# Altium PCB main.PcbDoc (part 2 of 2)
Units mm, origin at the board's own origin, x right, y up, seen from the top; angles counter-clockwise.
Board outline 110 x 124 mm, 4 copper layers (Top Layer, Int1 (GND), Int2 (PWR), Bottom Layer), stack 1.547 mm thick; 596 components, 384 nets, 1697 pads, 0 vias.
Unrouted connection lines stored in the file: 1265.
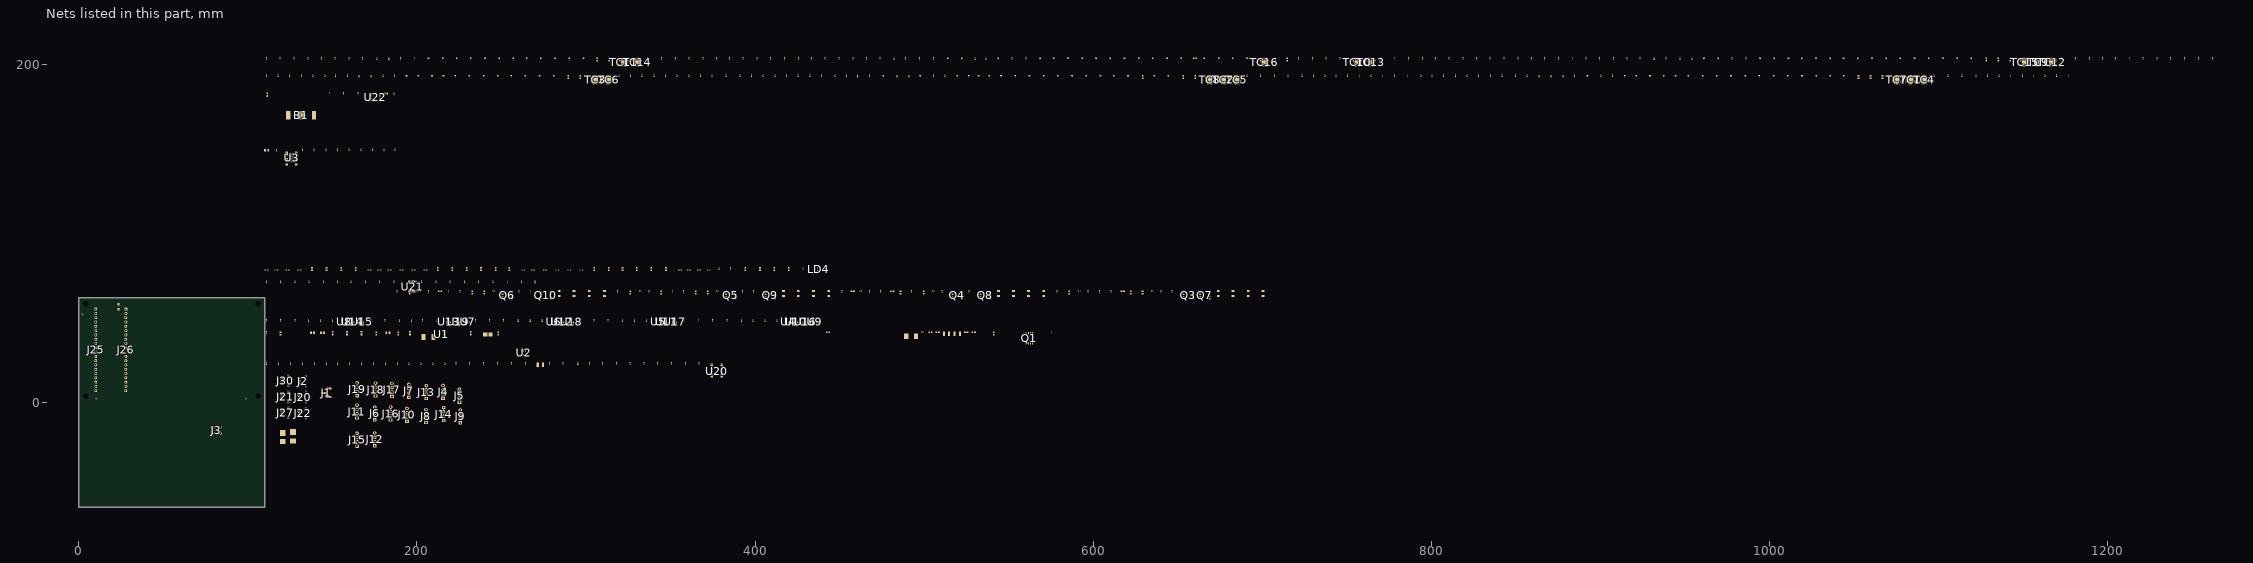
[diagram p2: the nets of this part, all layers, seen from the top]

## Footprints (in the part's own frame and the unit in brackets; to place one, negate y for a bottom-side part, rotate by r counter-clockwise, add the part's x,y. Pads: shape width x height; smd on the part's side, far side on the other; paste and mask are expansions set on the pad) (continued)
SODFL358X135-2N [mm] "SODFL, 2-Leads, Body 1.65x3.58mm, IPC Medium Density"
  rect 1.5x1.05 smd: 1(-1.4,0) 2(1.4,0)
  silkscreen extent -2.15,-0.95 1.55,1.15, body extent -1.79,-0.95 1.79,0.95, height 1.35
SOIC127P600X175-8N [mm] "SOIC, 8-Leads, Body 4.91x3.90mm, Pitch 1.27mm, IPC Medium Density"
  rect 1.45x0.6 smd: 1(-2.725,1.905) 2(-2.725,0.635) 3(-2.725,-0.635) 4(-2.725,-1.905) 5(2.725,-1.905) 6(2.725,-0.635) 7(2.725,0.635) 8(2.725,1.905)
  silkscreen extent -2.85,-2.5 1.6,2.88, body extent -3,-2.5 3,2.5, height 1.75
SOP65P640X120-16N [mm] "TSSOP16"
  rect 1.655x0.381 smd: 1(-2.825,2.275) 2(-2.825,1.625) 3(-2.825,0.975) 4(-2.825,0.325) 5(-2.825,-0.325) 6(-2.825,-0.975) 7(-2.825,-1.625) 8(-2.825,-2.275) 9(2.825,-2.275) 10(2.825,-1.625) 11(2.825,-0.975) 12(2.825,-0.325) 13(2.825,0.325) 14(2.825,0.975) 15(2.825,1.625) 16(2.825,2.275)
  silkscreen extent -4.33,-2.5 1.5,2.5, body extent -3.2,-2.5 3.2,2.5, height 1.2
SOP65P640X120-29N [mm] "TSSOP28 WITH EP"
  rect 1.27x0.39 smd: 1(-2.82,4.225) 2(-2.82,3.575) 3(-2.82,2.925) 4(-2.82,2.275) 5(-2.82,1.625) 6(-2.82,0.975) 7(-2.82,0.325) 8(-2.82,-0.325) 9(-2.82,-0.975) 10(-2.82,-1.625) 11(-2.82,-2.275) 12(-2.82,-2.925) 13(-2.82,-3.575) 14(-2.82,-4.225) 15(2.82,-4.225) 16(2.82,-3.575) 17(2.82,-2.925) 18(2.82,-2.275) 19(2.82,-1.625) 20(2.82,-0.975) 21(2.82,-0.325) 22(2.82,0.325) 23(2.82,0.975) 24(2.82,1.625) 25(2.82,2.275) 26(2.82,2.925) 27(2.82,3.575) 28(2.82,4.225)
  rect 3x5.5 smd: 29(0,0)
  silkscreen extent -3.1,-4.95 2.3,5.2, body extent -3.2,-4.85 3.2,4.85, height 1.2
SOT65P210X110-6N [mm] "SOT23, 6-Leads, Body 2.00x2.10mm, Pitch 0.65mm, IPC Medium Density"
  rect 0.85x0.4 smd: 1(-1.125,0.65) 2(-1.125,0) 3(-1.125,-0.65) 4(1.125,-0.65) 5(1.125,0) 6(1.125,0.65)
  silkscreen extent -1.25,-1.1 0.3,1.52, body extent -1.05,-1 1.05,1, height 1.1
SOT95P280X95-6N [mm] "SOT23, 6-Leads, Body 2.93x2.80mm, Pitch 0.95mm, IPC Medium Density"
  rect 1x0.6 smd: 1(-1.35,0.95) 2(-1.35,0) 3(-1.35,-0.95) 4(1.35,-0.95) 5(1.35,0) 6(1.35,0.95)
  silkscreen extent -1.47,-1.55 0.45,1.92, body extent -1.5,-1.53 1.5,1.53, height 0.95
SOT95P285X140-6N [mm] "SOT23, 6-Leads, Body 3.00x2.85mm, Pitch 0.95mm, IPC Medium Density"
  rect 1.05x0.6 smd: 1(-1.375,0.95) 2(-1.375,0) 3(-1.375,-0.95) 4(1.375,-0.95) 5(1.375,0) 6(1.375,0.95)
  silkscreen extent -1.5,-1.55 0.45,1.92, body extent -1.5,-1.55 1.5,1.55, height 1.4
TP_SMT_1.0MM_CIR [mm] "1mm diameter TP"
  round 1 smd paste-1: 1(0,0)
  silkscreen extent -0.7,-0.7 0.7,0.7
TSSOP50P640X120-38N [mm] "TSSOP, 38-Leads, Body 9.70x4.40mm, Pitch 0.50mm, IPC Medium Density"
  rect 1.4x0.35 smd: 1(-2.95,4.5) 2(-2.95,4) 3(-2.95,3.5) 4(-2.95,3) 5(-2.95,2.5) 6(-2.95,2) 7(-2.95,1.5) 8(-2.95,1) 9(-2.95,0.5) 10(-2.95,0) 11(-2.95,-0.5) 12(-2.95,-1) 13(-2.95,-1.5) 14(-2.95,-2) 15(-2.95,-2.5) 16(-2.95,-3) 17(-2.95,-3.5) 18(-2.95,-4) 19(-2.95,-4.5) 20(2.95,-4.5) 21(2.95,-4) 22(2.95,-3.5) 23(2.95,-3) 24(2.95,-2.5) 25(2.95,-2) 26(2.95,-1.5) 27(2.95,-1) 28(2.95,-0.5) 29(2.95,0) 30(2.95,0.5) 31(2.95,1) 32(2.95,1.5) 33(2.95,2) 34(2.95,2.5) 35(2.95,3) 36(2.95,3.5) 37(2.95,4) 38(2.95,4.5)
  silkscreen extent -3.07,-4.9 1.85,5.35, body extent -3.2,-4.9 3.2,4.9, height 1.2
XTAL_ECS_ECX-12Q [mm] "Crystal, ECS, ECX-12Q, 32.768kHz"
  rect 0.8x1.3 smd: 1(-0.7,0) 2(0.7,0)
  silkscreen extent -1.4,-0.9 1.4,0.9, body extent -1,-0.6 1,0.6, height 0.61

## Part data
B1: library part CMP-002-0005, "BATTERY HOLDER COIN 12MM PC PIN", MFR="TE Connectivity Linx", Design Item ID=BT/HLDR/SINGLE/COIN/12MM/BAT-HLD-012-SMT, MFR#=BAT-HLD-012-SMT
C1 C6 C8 C9 C10 C11 C12 C13 C14 C15 C16 C17 C18 C19 C20 C21 C22 C23: library part CMP-004-0013, "CAP CER 1000PF 250V X7R 0603", Capacitor Type=Ceramic, Case Code (Imperial)=0603, Case Code (Metric)=1608, MFR=KEMET, MFR2="TDK Corporation", MFR2#=C1608C0G2E102J080AA, MFR#=C0603C102JAGAC7867, Temp Coeff=C0G,NPO, Temp Range="-55 / +125 C", Tolerance=5%, Voltage Rating=250V, ComponentLink1Description=Datasheet, ComponentLink1URL=https://api.kemet.com/component-edge/download/datasheet/C0603C102K1RAC7411.pdf, Design Item ID=CN/1000PF/250V/C0G,NPO/5%/0603, REACH SVHC=Yes, RoHS Compliant=Yes
C2 C26 C27 C28 C29 C30 C31 C32 C33 C34 C35 C36 C37 C38 C39 C40 C41 C45 C46 C47 C51 C52 C53 C56 C57 C61 C62 C63 C67 C68 C69 C72 C73 C99 C100 C103: library part CMP-004-0076, "CAP CER SMD 0.1UF 50V X7R 0402", Capacitor Type=Ceramic, Case Code (Imperial)=0402, Case Code (Metric)=1005, MFR="Murata Electronics", MFR2="TDK Corporation", MFR2#=C1005X7R1H104K050BB, MFR3="KYOCERA AVX", MFR3#=KGM05CR71H104KH, MFR4="Samsung Electro-Mechanics", MFR4#=CL05B104KB54PNC, MFR#=GRM155R71H104KE14D, Temp Coeff=X7R, Temp Range="-55 / +125 C", Tolerance=10%, Voltage Rating=50V, ComponentLink1Description=Datasheet, ComponentLink1URL=https://search.murata.co.jp/Ceramy/image/img/A01X/G101/ENG/GRM155R71H104KE14-01.pdf, Design Item ID=CN/0.1uF/50V/X7R/10%/0402, Part Status=Production, Populate=Yes, RoHS Compliant=Yes
C3: library part CMP-004-0009, "CAP CER 2200PF 50V X7R 0603", Capacitor Type=Ceramic, Case Code (Imperial)=0603, Case Code (Metric)=1608, MFR=KEMET, MFR2="Samsung Electro-Mechanics", MFR2#=CL10B222KB8NFNC, MFR#=C0603C222K5RACAUTO, Temp Coeff=X7R, Temp Range="-55 / +125 C", Tolerance=10%, Voltage Rating=50V, ComponentLink1Description=Datasheet, ComponentLink1URL=https://api.kemet.com/component-edge/download/datasheet/C0603C473K5RACTU.pdf, Design Item ID=CN/2200pF/50V/X7R/10%/0603, Quality=AEC-Q200, REACH SVHC=Yes, RoHS Compliant=Yes
C4 C5: library part CMP-004-0001, "CAP, CER, 10µF, 50V, 10%, X7S, 1210", Capacitor Type=Ceramic, Case Code (Imperial)=1210, Case Code (Metric)=3225, MFR="TDK Corporation", MFR#=CGA6P3X7S1H106K250AE, Temp Coeff=X7S, Temp Range="-55 / +125 C", Tolerance=10%, Voltage Rating=50V, ComponentLink1Description=Datasheet, ComponentLink1URL=https://product.tdk.com/info/en/catalog/datasheets/mlcc_automotive_soft_en.pdf?ref_disty=digikey, Design Item ID=CN/10uF/50V/X7S/10%/1210, Quality=AEC-Q200, Supplier 1=Avnet, Supplier Part Number 1=CGA6P3X7S1H106K250AE
C7: library part CMP-004-0027, "CAP CER 1000PF 100V C0G/NP0 0603", Capacitor Type=Ceramic, Case Code (Imperial)=0603, Case Code (Metric)=1608, MFR="Murata Electronics", MFR2="TDK Corporation", MFR2#=C0603C103K2RECAUTO, MFR#=GCM1885C2A102JA16D, Temp Coeff=C0G/NP0, Temp Range="-55 / +125 C", Tolerance=10%, Voltage Rating=100V, Design Item ID=CN/0.01uF/100V/C0G,NP0/10%/0603, REACH SVHC=Yes, RoHS Compliant=Yes
C24 C92 C96 C97: library part CMP-004-0011, "CAP CER 4.7UF 25V X7R 0805", Capacitor Type=Ceramic, Case Code (Imperial)=0805, Case Code (Metric)=2012, MFR="TDK Corporation", MFR2="Samsung Electro-Mechanics", MFR2#=CL21B475KAFNNNE, MFR3=FengHua, MFR3#=0805B475K500NT, MFR#=C2012X7R1E475K125AE, Temp Coeff=X7R, Temp Range="-55 / +125 C", Tolerance=10%, Voltage Rating=25V, ComponentLink1Description=Datasheet, ComponentLink1URL=https://search.murata.co.jp/Ceramy/image/img/A01X/G101/ENG/GRM32EC72A106KE05-01.pdf, Design Item ID=CN/4.7uF/25V/X7R/10%/0805, REACH SVHC=Yes, RoHS Compliant=Yes
C25: library part CMP-004-0077, "CAP CER SMD 0.01UF 50V X7R 0402", Capacitor Type=Ceramic, Case Code (Imperial)=0402, Case Code (Metric)=1005, MFR="Murata Electronics", MFR2=YAGEO, MFR2#=CC0402KRX7R9BB103, MFR3=KEMET, MFR3#=C0402C103K5RAC7867, MFR4="Samsung Electro-Mechanics", MFR4#=CL05B103KB5NNNC, MFR#=GCM155R71H103KA55D, Temp Coeff=X7R, Temp Range="-55 / +125 C", Tolerance=10%, Voltage Rating=50V, ComponentLink1Description=Datasheet, ComponentLink1URL=https://search.murata.co.jp/Ceramy/image/img/A01X/G101/ENG/GCM155R71H103KA55-01.pdf, Design Item ID=CN/0.01UF/50V/X7R/10%/0402, Part Status=Production, Populate=Yes, RoHS Compliant=Yes
C42 C43 C44 C48 C49 C50 C54 C55 C58 C59 C60 C64 C65 C66 C70 C71: library part CMP-004-0070, "CAP CER 0.1UF 50V X7R 0603", Capacitor Type=Ceramic, Case Code (Imperial)=0608, Case Code (Metric)=1608, MFR=KEMET, MFR2=Yageo, MFR2#=CC0603KRX7R9BB104, MFR#=C0603C104K5RACTU, Temp Coeff=X7R, Temp Range="-55 / +125 C", Tolerance=10%, Voltage Rating=50V, ComponentLink1Description=Datasheet, ComponentLink1URL=https://product.tdk.com/info/en/catalog/datasheets/mlcc_automotive_midvoltage_en.pdf?ref_disty=digikey, Design Item ID=CN/0.1uF/50V/X7R/10%/0603, Part Status=Production
C74 C76 C77 C78 C79 C80 C81 C82 C83 C84 C85 C86 C87 C88 C89 C90 C91: library part CMP-004-0079, "CAP CER 150PF 25V C0G/NP0 0402", Capacitor Type=Ceramic, Case Code (Imperial)=0402, Case Code (Metric)=1005, MFR=KEMET, MFR2=Yageo, MFR2#=CC0402JRNPO8BN151, MFR#=C0402C151J3GACTU, Temp Coeff=C0G/NP0, Temp Range="-55 / +125 C", Tolerance=5%, Voltage Rating=25V, ComponentLink1Description=Datasheet, ComponentLink1URL=https://search.murata.co.jp/Ceramy/image/img/A01X/G101/ENG/GCM155R71H103KA55-01.pdf, Design Item ID=CN/150PF/25V/C0G,NP0/5%/0402, Part Status=Production, Populate=Yes, RoHS Compliant=Yes
C75: library part CMP-004-0004, "CAP CER 10UF 25V X7R 1206", Capacitor Type=Ceramic, Case Code (Imperial)=1206, Case Code (Metric)=3216, MFR="Murata Electronics", MFR2="TDK Corporation", MFR2#=C3216X7R1E106K160AB, MFR#=GRM31CR71E106KA12L, Temp Coeff=X7R, Temp Range="-55 / +125 C", Tolerance=10%, Voltage Rating=25V, ComponentLink1Description=Datasheet, ComponentLink1URL=https://www.murata.com/-/media/webrenewal/support/library/catalog/products/capacitor/ceramiccapacitor/c02e.ashx?la=en-us&cvid=20210120024548000000, Design Item ID=CN/10uF/25V/X7R/10%/1206, Height=1.6mm, REACH SVHC=Yes, RoHS Compliant=Yes
C93 C94 C98 C101: library part CMP-004-0069, "CAP CER 10000PF (0.01uF) 50V X7R 0603", Capacitor Type=Ceramic, Case Code (Imperial)=0603, Case Code (Metric)=1608, MFR="KYOCERA AVX", MFR2=KEMET, MFR2#=C0603C103K5RAC7411, MFR#=06035C103KAT2A, Temp Coeff=X7R, Temp Range="-55 / +125 C", Tolerance=10%, Voltage Rating=50V, Design Item ID=CN/0.01uF/50V/X7R/10%/0603, Part Status=Production
C95: library part CMP-004-0050, "CAP CER 1000PF 50V X7R 0603", Capacitor Type=Ceramic, Case Code (Imperial)=0603, Case Code (Metric)=1608, MFR=Yageo, MFR2="AVX Corporation", MFR2#=06035C102KAT2A, MFR#=CC0603KRX7R9BB102, Temp Coeff=X7R, Temp Range="-55 / +125 C", Tolerance=10%, Voltage Rating=50V, ComponentLink1Description=Datasheet, ComponentLink1URL=https://www.yageo.com/upload/media/product/productsearch/datasheet/mlcc/UPY-GPHC_X7R_6.3V-to-50V_18.pdf, Design Item ID=CN/1000PF/50V/X7R/10%/0603
C102: library part CMP-004-0024, "CAP CER 0.1UF 25V X7R 0603", Capacitor Type=Ceramic, Case Code (Imperial)=0608, Case Code (Metric)=1608, MFR=Yageo, MFR2=Walsin, MFR2#=0603B104J250CT, MFR#=CC0603JRX7R8BB104, Temp Coeff=X7R, Temp Range="-55 / +125 C", Tolerance=10%, Voltage Rating=25V, Design Item ID=CN/0.1uF/25V/X7R/5%/0603, Height=0.8mm, REACH SVHC=Yes, RoHS Compliant=Yes
D1: library part CMP-010-0001, "DIODE GEN PURP 1KV 3A SMB", Current Rating=3A, Current, Non-rep Pk Forward=100A, Current, Reverse Leakage="250uA @125 C", MFR="Diodes Incorporated", Temp Range="-65 / 150 C", Voltage Rating=1kV, Voltage, Forward=1.15V, Voltage, RMS Max=700V, Design Item ID=D/REC/1000V/3A/S3MB-13-F/SMB, MFR#=S3MB-13-F, REACH SVHC="No SVHC", RoHS Compliant=Yes, Rth(j-c)="10 C/W"
D2: library part CMP-010-0012, "DIODE GEN PURP 400V 1A SOD123FL", Case/Package=SOD123FL, Current Rating=1A, Current, Reverse Leakage="50uA @VR=400V,Tj=125C", MFR="Micro Commercial Co", Temp Range="-65 / +150 C", Voltage Rating=400V, Voltage, Forward="1.4V @1A", ComponentLink1Description=Datasheet, ComponentLink1URL=https://www.mccsemi.com/pdf/Products/UFM11PL-UFM17PL(SOD-123FL).pdf, Design Item ID=D/REC/400V/1A/UFM14PL/SOD123FL, MFR#=UFM14PL-TP, Rth(j-a)="80 C/W", Wattage=400mW
FID1 FID2 FID3 FID4 FID5 FID6: library part CMP-019-0003, "STANDARD PCB FIDUCIAL", Copper Dimensions=1mm, Design Item ID="Fiducial, Standard", Populate=DNP, Soldermask Dimensions=1.3mm
J1: library part CMP-007-0021, "CONN HEADER SMD 3POS 2.54MM", Current Rating=4.1A, Flammability Rating=UL94V-0, MFR=Samtec, Temp Range="-55 / +125 C", Voltage Rating=475V, ComponentLink1Description="Catalog Page", ComponentLink1URL=https://suddendocs.samtec.com/catalog_english/tsm.pdf, Contact Finish=Gold, Design Item ID=CON/3P/2.54mm/4.1A/TSM-103-01-F-SV/SAMTEC, Gender=Male, Lead Free="Lead Free", MFR#=TSM-103-01-F-SV, Number of Contacts=3, Orientation=Straight, RoHS Compliant=Yes, System=Connector, Terminal Pitch=2.54mm
J2 J20 J21 J22 J27 J30: library part CMP-007-0084, "CONN HEADER SMD R/A SH 4POS 1MM", MFR=JST, ComponentLink1Description=Datasheet, ComponentLink1URL=https://www.jst-mfg.com/product/pdf/eng/eSH.pdf, Contact Finish=Tin, Design Item ID=CON/2P/1MM/1A/SM04B-SRSS-TB/JST, MFR#=SM04B-SRSS-TB, Type=Connector
J3: library part CMP-007-0077, "TERM BLOCK 2POS 45DEG 3.5MM PCB", MFR=Phoenix, ComponentLink1Description=Datasheet, ComponentLink1URL=https://www.phoenixcontact.com/us/products/1862042/pdf, Contact Finish=Tin, Design Item ID=CON/2P/3.5MM/1862042/PHOENIX, MFR#=1862042, Type=Connector
J4 J5 J6 J7 J8 J9 J10 J11 J12 J13 J14 J15 J16 J17 J18 J19: library part CMP-007-0053, "TERM BLK 4P SIDE ENT 2.54MM PCB", Current Rating=6A, Flammability Rating="UL 94V0", MFR="Phoenix Contact", Temp Range="-40 / +115 C", Voltage Rating="250V AC(RMS)/DC", ComponentLink1Description=Datasheet, ComponentLink1URL=https://www.phoenixcontact.com/en-us/products/printed-circuit-board-terminal-mpt-05-4-254-1725672, Contact Finish=Tin, Design Item ID=CON/4P/2.54mm/6A/1725672/PHOENIX_CONTACT, Gender=Male, MFR#=1725672, Orientation="Right Angle", System=Connector, Terminal Pitch=2.54mm
J25 J26: library part CMP-007-0067, "CONN HEADER VERT 20POS 2.54MM GOLD", Current Rating=1A, MFR="Adam Tech", Temp Range="-40 / +105 C", Voltage Rating="250V AC(RMS)/DC", ComponentLink1Description=Drawing, ComponentLink1URL=https://app.adam-tech.com/products/download/data_sheet/201605/ph1-xx-ua-data-sheet.pdf, Contact Finish=Gold, Design Item ID="CON/20P/2.54mm/2A/PH1-20-UA/Adam Tech", Durability="50 mating cycles", Gender=Male, MFR#=PH1-20-UA, Orientation=Verticle, RoHS Compliant=Yes, System=Connector, Terminal Pitch=2.54mm
J28 J29: library part CMP-007-0008, "CONN SSL POKE-IN CONT 18-26AWG", Current Rating="15A - 7A (18-26AWG)", MFR=AVX, MFR#=709296001003006, Temp Range="-40 / +125 C", Voltage Rating=300V, ComponentLink1Description=Datasheet, ComponentLink1URL=https://datasheets.avx.com/Poke_Home_Single_70-9296.pdf, Design Item ID=CON/1P/POKE/15A-70-9296-001-003-006/AVX, Gender=Female, Orientation="Right Angle", Part Status=Production, System=Connector, Terminal Pitch=n/a, Wire Gauge="18 - 26 AWG"
L1: library part CMP-018-0005, "FIXED IND 15UH 2.9A 127 MOHM SMD", Current Rating=2.9A, Current, Saturation=2.8A, Inductor Type="GENERAL PURPOSE INDUCTOR", MFR="Vishay Dale", MFR#=IHLP2525CZER150M8A, Self Resonant Frequency="11 MHz", Temp Range="-55 / +180 C", Tolerance=20%, Voltage Rating=75V, ComponentLink1Description=Datasheet, ComponentLink1URL=https://www.vishay.com/docs/34362/lp25cz8a.pdf, DCR="127 mOhm MAX", Design Item ID=L/15uH/127/2.9A/20%/IHLP2525CZ, Quality=AEC-Q200, REACH SVHC=Yes, RoHS Compliant=Yes
LD1: library part CMP-012-0014, "LED GREEN CLEAR 0603 SMD", Case/Package="0603 (1608)", Colour=Green, Current Rating=30mA, MFR="Lite-On Inc.", Temp Range="-55 / +85 C", Voltage=2V, Voltage, Forward="1.9 - 2.5V", Voltage, Reverse=5V, ComponentLink1Description=Datasheet, ComponentLink1URL=https://optoelectronics.liteon.com/upload/download/DS22-2000-228/LTST-C191KGKT.PDF, Design Item ID=LED/GREEN/30mA/LTST-C191KGKT/Lite-On/0603, MFR#=LTST-C191KGKT, RoHS Compliant=Yes, Viewing Angle=120°, Wattage=75mW, Wavelength="567.5 - 576.5nm"
LD2: library part CMP-012-0016, "LED BLUE CLEAR 0603 SMD", Case/Package="0603 (1608)", Colour=Blue, Current Rating=30mA, MFR="Lite-On Inc.", Temp Range="-55 / +85 C", Voltage=2V, Voltage, Forward="1.9 - 2.5V", Voltage, Reverse=5V, ComponentLink1Description=Datasheet, ComponentLink1URL=https://optoelectronics.liteon.com/upload/download/DS22-2000-230/LTST-C191TBKT.pdf, Design Item ID=LED/BLUE/30mA/LTST-C191TBKT/Lite-On/0603, MFR#=LTST-C191TBKT, RoHS Compliant=Yes, Viewing Angle=120°, Wattage=75mW, Wavelength="465 - 475nm"
LD3 LD5: library part CMP-012-0015, "LED YELLOW CLEAR 0603 SMD", Case/Package="0603 (1608)", Colour=Yellow, Current Rating=30mA, MFR="Lite-On Inc.", Temp Range="-55 / +85 C", Voltage=2V, Voltage, Forward="1.9 - 2.5V", Voltage, Reverse=5V, ComponentLink1Description=Datasheet, ComponentLink1URL=https://optoelectronics.liteon.com/upload/download/DS22-2000-224/LTST-C191KSKT.PDF, Design Item ID=LED/YLW/30mA/LTST-C191KSKT/Lite-On/0603, MFR#=LTST-C191KSKT, RoHS Compliant=Yes, Viewing Angle=120°, Wattage=75mW, Wavelength="584.5 - 597nm"
LD4: library part CMP-012-0023, "LED ADDRESSABLE RGB 1.50mm x 1.50mm", Case/Package=1515, Colour=RGBW, Current=12mA, Current, Reverse Leakage=10uA, MFR=Inolux, Temp Range="-30 / +85 C", Voltage, Forward="3.5V - 5.5V", Clock=800kHz, ComponentLink1Description=Datasheet, ComponentLink1URL=https://www.inolux-corp.com/datasheet/SMDLED/Addressable%20LED/IN-PI55QATPRPGPBPW-XX_v1.3.pdf, Design Item ID=LED/RGBW/IN-PI15TAT5R5G5B, Interface="Shift Register", MFR#=IN-PI15TAT5R5G5B, Part Status=Production, Viewing Angle="130 degree", Wavelength, Blue=460-470, Wavelength, Green=515-530, Wavelength, Red=620-630, Wavelength, White=4000k
LD6 LD7 LD8 LD9 LD10 LD11 LD12 LD13 LD14 LD15 LD16 LD17 LD18 LD19 LD20 LD21: library part CMP-012-0013, "LED RED CLEAR 0603 SMD", Case/Package="0603 (1608)", Colour=Red, Current Rating=30mA, MFR="Lite-On Inc.", Temp Range="-55 / +85 C", Voltage=2V, Voltage, Forward="1.9 - 2.5V", Voltage, Reverse=5V, ComponentLink1Description=Datasheet, ComponentLink1URL=https://optoelectronics.liteon.com/upload/download/DS22-2000-223/LTST-C191KRKT.PDF, Design Item ID=LED/RED/30mA/LTST-C191KRKT/Lite-On/0603, MFR#=LTST-C191KRKT, RoHS Compliant=Yes, Viewing Angle=120°, Wattage=75mW, Wavelength=625nm
MTH1 MTH2 MTH3 MTH4: library part CMP-022-0003, "M3 Screw Mounted Hole Non-Plated", Annular Ring Size=7mm, Bolt Diameter=3mm, Bolt Head Size=6.3mm, ClassName=MTHole, Design Item ID=MTH/NP/M3, Drill size=3.25mm, Populate=DNP
Q1: library part CMP-029-0048, "TRANS DUAL MOSFET N-CH 40V 160A PG-TDSON-8-60", Case/Package=PG-TDSON-8, Current=160A, MFR=Infineon, Temp Range, Ambient="-55 / +175 C", Voltage=40V, ComponentLink1Description=Datasheet, ComponentLink1URL=https://www.infineon.com/assets/row/public/documents/10/49/infineon-iaucn04s7n019d-datasheet-en.pdf?fileId=8ac78c8c92416ca501927583b6c81041, Design Item ID=Q/NCH/D/40V/160A/IAUCN04S7N019DATMA1/8tdson, MFR#=IAUCN04S7N019DATMA1, Part Status=Production, Populate=Yes, REACH SVHC="No SVHC", RoHS Compliant=Yes, Rth(j-a)="46 C/W", Rth(j-c)="1.6 C/W", Temp Range, Junction="-55 / +175 C", Transistor Type=NCH, Wattage=96W
Q3 Q4 Q5 Q6 Q7 Q8 Q9 Q10: library part CMP-029-0047, "MOSFET N-CH 25V 5.8A SOT23", Case/Package=PG-TDSON-8, Current=20A, MFR=Infineon, Temp Range, Ambient="-55 / +175 C", Voltage=60V, ComponentLink1Description=Datasheet, ComponentLink1URL=https://www.diodes.com/assets/Datasheets/ds30041.pdf, Design Item ID=Q/NCH/D/60V/20A/IPG20N06S4L26ATMA1/8tdson, MFR#=IPG20N06S4L26ATMA1, Part Status=Production, Populate=Yes, REACH SVHC="No SVHC", RoHS Compliant=Yes, Rth(j-a)="100 C/W", Rth(j-c)="4.5 C/W", Temp Range, Junction="-55 / +175 C", Transistor Type=NCH, Wattage=33W
R1: library part CMP-025-0099, "RES SMD 100K OHM 1% 1/10W 0603", Case Code (Imperial)=0603, Case Code (Metric)=1608, Current=1A, MFR="Panasonic Electronic Components", MFR2="Stackpole Electronics Inc", MFR2#=RMCF0603FT100K, MFR3="TE Connectivity", MFR3#=CRGCQ0603F100K, MFR4=FengHua, MFR4#=RS-03K1003FT, MFR#=ERJ-3EKF1003V, Resistor Type="Thick Film", Temp Range="-55 / +155 C", Tolerance=1%, Voltage=75V, ComponentLink1Description=Datasheet, ComponentLink1URL=https://industrial.panasonic.com/cdbs/www-data/pdf/RDA0000/AOA0000C304.pdf, Design Item ID=R/100.0K/0.1W/1%/0603, Quality=AEC-Q200, Wattage=100mW
R2 R3 R4 R5 R10 R11 R12 R13 R18 R19 R20 R21 R26 R27 R28 R29 R64 R65 R66 R67 R68 R69 R90 R91 R92 R93 R95 R96 R111 R112 R113 R114 R136 R137 R138 R139 R140 R141 R162 R163 R164 R165 R167 R168 R183 R184 R185 R186: library part CMP-025-0156, "RES SMD 100 OHM 1% 1/16W 0402", Case Code (Imperial)=0402, Case Code (Metric)=1005, Current=1A, MFR="Stackpole Electronics Inc", MFR2=YAGEO, MFR2#=RC0402FR-07100RL, MFR3="Vishay Dale", MFR3#=CRCW0402100RFKED, MFR4="Bourns Inc", MFR4#=CR0402-FX-1000GLF, MFR#=RMCF0402FT100R, Resistor Type="Thick Film", Temp Range="-55 / +155 C", Temperature Coefficient=100ppm/°C, Tolerance=1%, Voltage Rating=75V, ComponentLink1Description=Datasheet, ComponentLink1URL=https://www.yageo.com/upload/media/product/products/datasheet/rchip/PYu-RC_Group_51_RoHS_L_12.pdf, Design Item ID=R/100.0/0.063W/1%/0402, Populate=Yes, RoHS Compliant=Yes, Wattage=63mW
R6 R7 R8 R9 R14 R15 R16 R17 R22 R23 R24 R25 R30 R31 R32 R33 R34 R35 R36 R37 R38 R39 R40 R41 R42 R52 R53 R54 R57 R58 R60 R61 R62 R63 R79 R80 R81 R84 R85 R87 R88 R89 R94 R103 R104 R107 R108 R109 R110 R124 R125 R126 R129 R130 R132 R133 R134 R135 R151 R152 R153 R156 R157 R159 R160 R161 R166 R175 R176 R179 R180 R181 R182 R270 R271 R272 R274 R275 R276 R277 R278 R279 R280 R281 R282 R283 R284 R285: library part CMP-025-0026, "RES SMD 10K OHM 0.5% 1/16W 0402", Case Code (Imperial)=0402, Case Code (Metric)=1005, MFR="Panasonic Electronic Components", MFR2="Stackpole Electronics Inc", MFR2#=RNCF0402DTE10K0, MFR#=ERA-2AED103X, Resistor Type="Thick Film", Temp Range="-55 / +155 C", Temperature Coefficient=25ppm/°C, Tolerance=0.5%, Voltage Rating=50V, ComponentLink1Description=Datasheet, ComponentLink1URL=https://industrial.panasonic.com/cdbs/www-data/pdf/RDM0000/AOA0000C307.pdf, Design Item ID=R/10.0K/0.063W/0.5%/0402, Quality=AEC-Q200, REACH SVHC=Yes, RoHS Compliant=Yes, Wattage=63mW
R43 R44 R45 R49 R50 R51 R70 R71 R74 R76 R77 R78 R97 R98 R101 R102 R115 R116 R117 R121 R122 R123 R142 R143 R146 R148 R149 R150 R169 R170 R173 R174: library part CMP-025-0172, "RES SMD 2M OHM 1% 1/16W 0402", Case Code (Imperial)=0402, Case Code (Metric)=1005, MFR=YAGEO, MFR#=RC0402FR-072ML, Resistor Type="Thick Film", Temp Range="-55 / +155 C", Temperature Coefficient=100ppm/°C, Tolerance=1%, ComponentLink1Description=Datasheet, ComponentLink1URL=https://yageogroup.com/content/datasheet/asset/file/PYU-RC_GROUP_51_ROHS_L, Design Item ID=R/2.0M/0.063W/1%/0402, Part Status=Production, Populate=Yes, RoHS Compliant=Yes, Wattage=63mW
R46 R118: library part CMP-025-0171, "RES SMD 2.2K OHM 1% 1/16W 0402", Case Code (Imperial)=0402, Case Code (Metric)=3216, Current=6A, MFR=YAGEO, MFR#=RC0402FR-072K2L, Resistor Type="Thick Film", Temp Range="-55 / +155 C", Temperature Coefficient=100ppm/°C, Tolerance=1%, Voltage Rating=250V, ComponentLink1Description=Datasheet, ComponentLink1URL=https://yageogroup.com/content/datasheet/asset/file/PYU-RC_GROUP_51_ROHS_L, Design Item ID=R/2.2K/0.063W/1%/0402, Part Status=Production, Populate=Yes, RoHS Compliant=Yes, Wattage=63mW
R47 R119: library part CMP-025-0176, "RES SMD 4.3K OHM 1% 1/16W 0402", Case Code (Imperial)=0402, Case Code (Metric)=1005, MFR=Yageo, MFR#=RC0402FR-074K3L, Resistor Type="Thick Film", Temp Range="-55 / +155 C", Temperature Coefficient="50 ppm/°C", Tolerance=1%, ComponentLink1Description=Datasheet, ComponentLink1URL=https://yageogroup.com/content/datasheet/asset/file/PYU-RC_GROUP_51_ROHS_L, Design Item ID=R/4.3K/0.063W/1%/0402, Part Status=Production, Populate=Yes, RoHS Compliant=Yes, Wattage=63mW
R48 R100 R120 R172 R264 R265 R266 R267 R268 R269: library part CMP-025-0102, "RES SMD 0 OHM JUMPER 1/16W 0402", Case Code (Imperial)=0402, Case Code (Metric)=1002, Current=1A, MFR="Stackpole Electronics Inc", MFR2=YAGEO, MFR2#=AC0402JR-070RL, MFR3="Vishay Dale", MFR3#=CRCW04020000Z0ED, MFR4=FengHua, MFR4#=RS-02K000JT, MFR#=RMCF0402ZT0R00, Resistor Type="Thick Film", Temp Range="-55 / +155 C", Tolerance=Jumper, Voltage Rating=50V, ClassName=Fine_Pitch, Design Item ID=R/0.00/0.063W/JUMPER/0402, Quality=AEC-Q200, REACH SVHC=Yes, RoHS Compliant=Yes, Wattage=63mW
R55 R56 R59 R82 R83 R86 R105 R106 R127 R128 R131 R154 R155 R158 R177 R178 R273: library part CMP-025-0173, "RES SMD 1M OHM 1% 1/16W 0402", Case Code (Imperial)=0402, Case Code (Metric)=1005, MFR=YAGEO, MFR#=RC0402FR-071ML, Resistor Type="Thick Film", Temp Range="-55 / +155 C", Temperature Coefficient=100ppm/°C, Tolerance=1%, ComponentLink1Description=Datasheet, ComponentLink1URL=https://yageogroup.com/content/datasheet/asset/file/PYU-RC_GROUP_51_ROHS_L, Design Item ID=R/1.0M/0.063W/1%/0402, Part Status=Production, Populate=Yes, RoHS Compliant=Yes
  R55 R56 R59 R82 R83 R86 R105 R127 R128 R131 R154 R155 R158 R177 R178 R273: Wattage=63mW
R72 R144: library part CMP-025-0178, "RES SMD 13K OHM 1% 1/16W 0402", Case Code (Imperial)=0402, Case Code (Metric)=1005, MFR=Yageo, MFR#=RC0402FR-0713KL, Resistor Type="Thick Film", Temp Range="-55 / +155 C", Temperature Coefficient="50 ppm/°C", Tolerance=1%, ComponentLink1Description=Datasheet, ComponentLink1URL=https://yageogroup.com/content/datasheet/asset/file/PYU-RC_GROUP_51_ROHS_L, Design Item ID=R/13K/0.063W/1%/0402, Part Status=Production, Populate=Yes, RoHS Compliant=Yes, Wattage=63mW